# KiCad board Lime_RFE.kicad_pcb (continued)
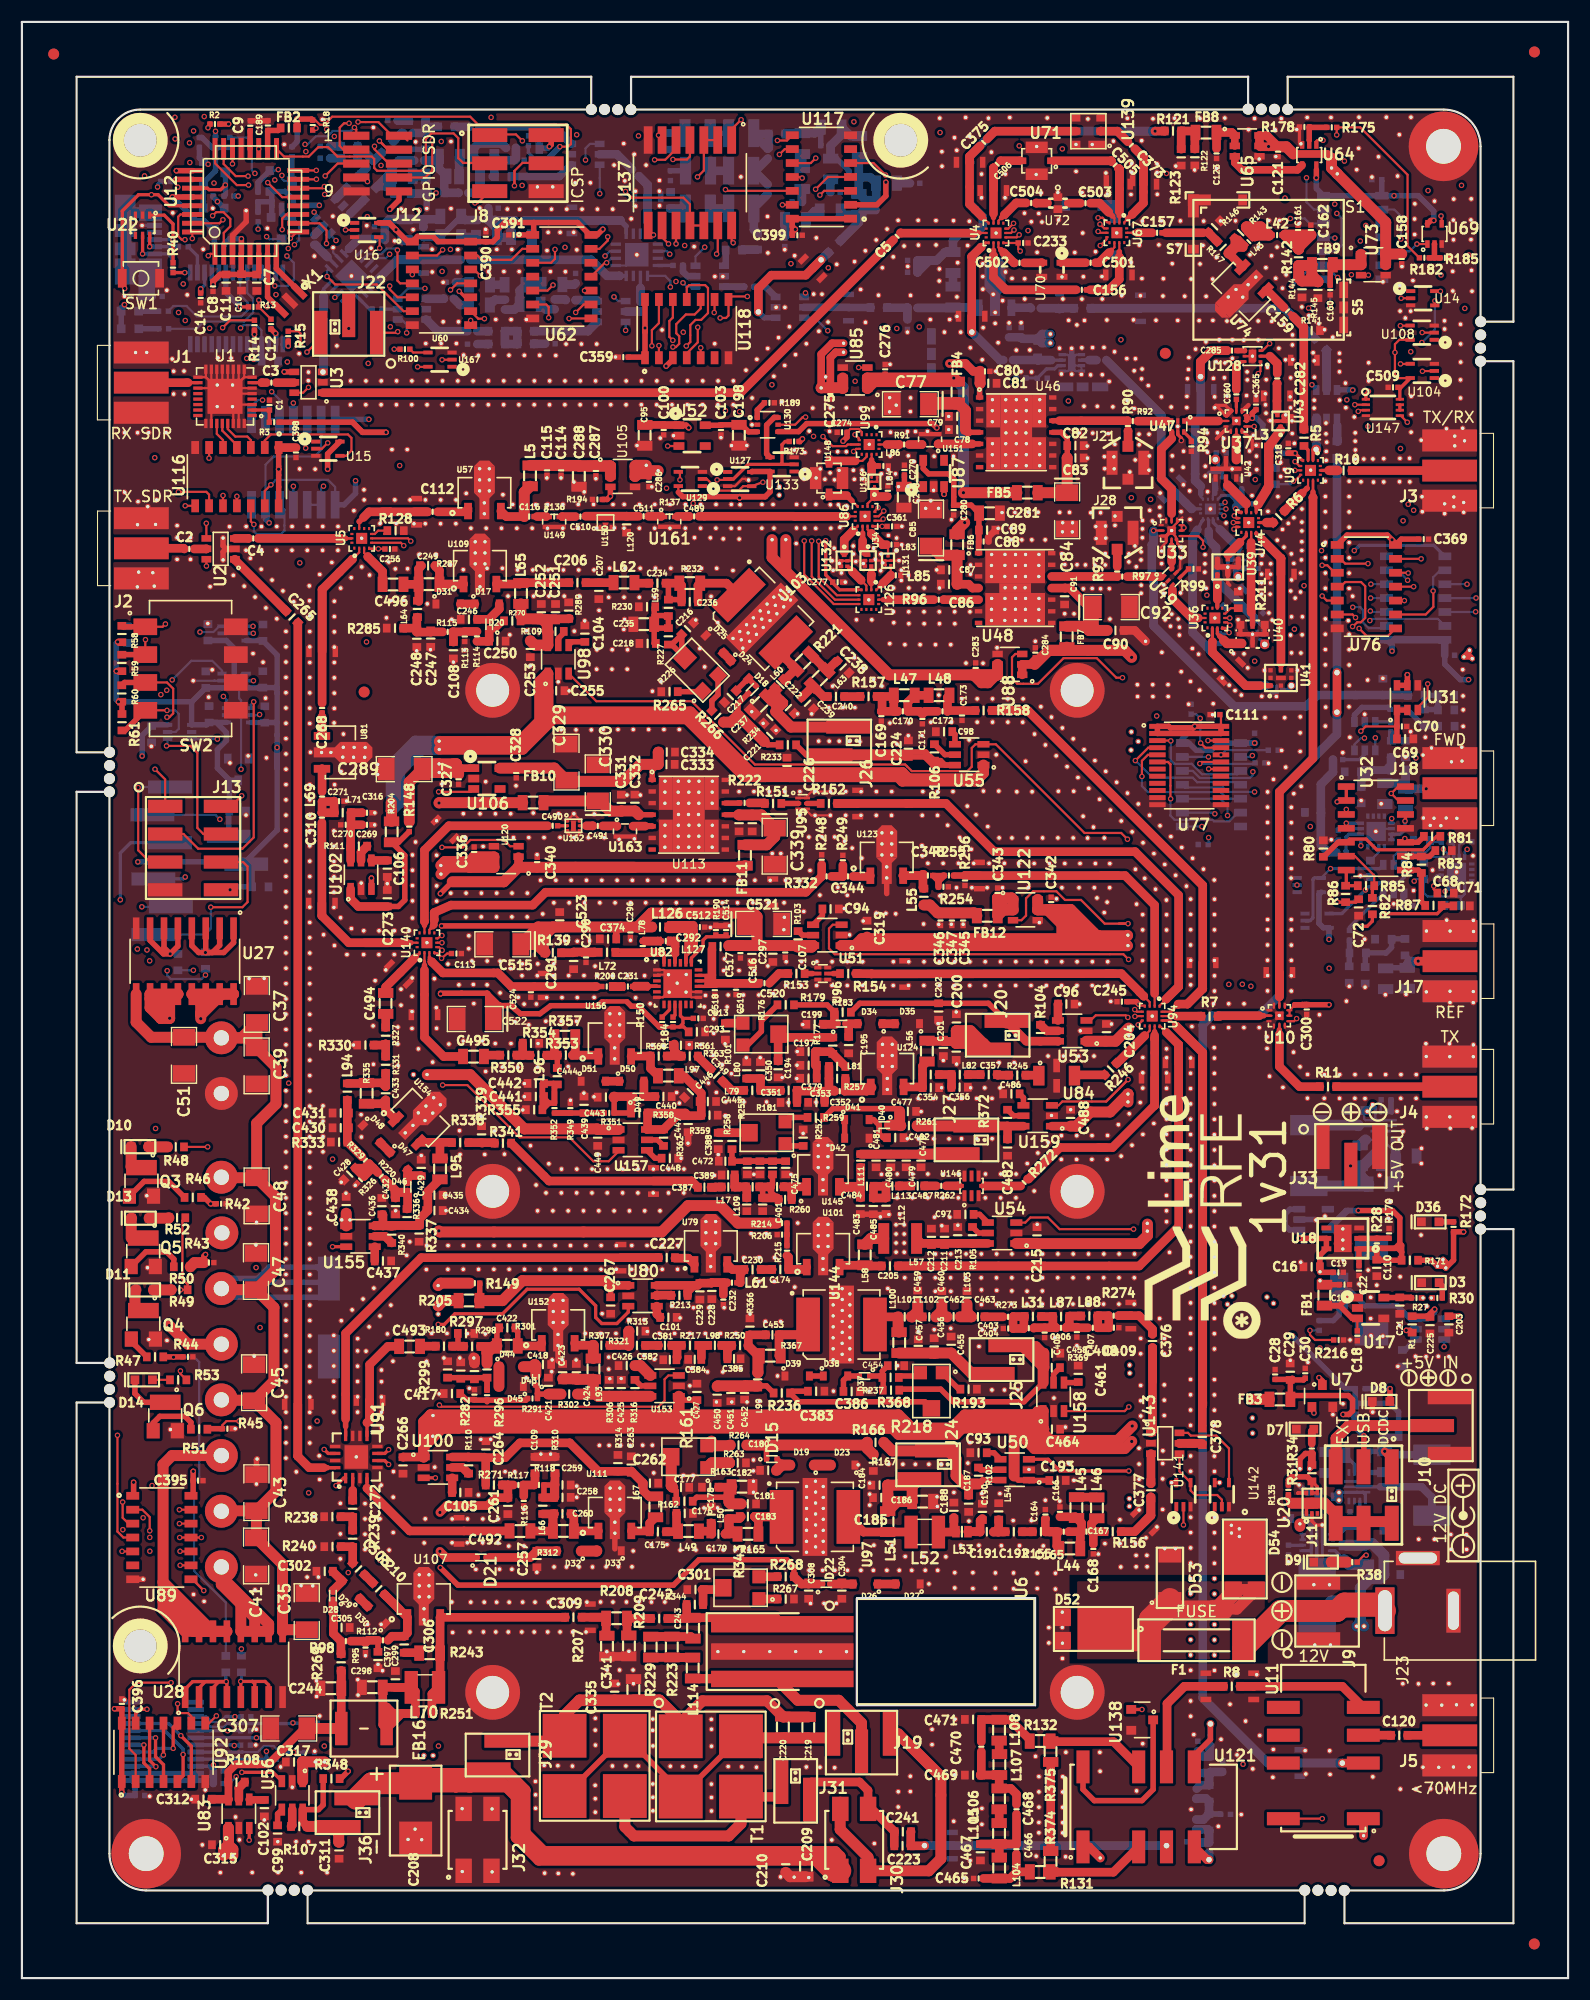
[diagram p0: board, top side]
## Routing (per net, layer and track width the routed paths; a pad name or vN(x,y) marks a point on that pad's centre or on a via; arc(x,y) is an arc through that point) (continued)
/30MHz_RX: length 141.8
  T w0.79: 120,115.49 120.01,115.5 TRANS_VIA#15.1 ; U11.3 122.41,19.62 TRANS_VIA#17.1
  B w0.79: 120,119.13 120.01,119.13 C313.1 ; 120.51,19.62 113.7,19.62 107.75,25.56 107.75,87 108.57,87.82 112.92,87.82 114.75,89.65 114.75,108.25 120,113.5 TRANS_VIA#16.1 ; P41.2 120.49,19.63 TRANS_VIA#17.1
/30MHz_TX: length 13.3
  T w0.79: U11.5 120.49,26.62 R8.1 112.41,26.62 P40.2
/ATTEN0: length 3.7
  T w0.2: U116.3 20.89,140.35 20.57,140.67 19.47,140.67 18.79,141.36 U1.29
/ATTEN1: length 2.7
  T w0.2: U116.4 19.62,139.88 18.29,141.21 U1.28
/ATTEN2: length 2.4
  T w0.2: U116.5 18.35,140.35 17.79,140.92 U1.27
/BAND38_TX_ENn: length 105.6
  T w0.2: 66.26,138.13 64.92,136.79 U127.2 64.32,136.72 v1(63.44,136.72) ; R100.1 v1(33.98,148.64)
  T w0.3: U127.2 64.92,136.79 66.26,138.13 69.28,138.13 ; 69.28,138.13 69.28,138.18 69.32,138.18 69.36,138.13 69.36,139.93 69.65,140.22 R173.2 ; 69.28,138.13 U133.2
  SIG1 w0.2: v1(12.38,163.44) 12.38,157.53 12.12,157.28 v1(12.12,138.74) ; 34.8,147.37 34.8,146.97 ; 34.8,146.97 34.8,140.24 34.47,139.91 v1(34.47,138.03) ; 34.8,146.97 34.8,147.82 v1(33.98,148.64)
  SIG2 w0.2: 27.44,138.29 26.29,138.29 ; 27.44,138.29 34.48,138.29 ; 27.44,138.29 17.38,138.29 17.13,138.04 12.83,138.04 v1(12.12,138.74) ; 34.48,138.29 37.37,138.29 38.5,139.42 45.92,139.42 45.94,139.44 45.99,139.44 45.99,139.35 47.36,137.98 53.09,137.98 54.28,136.79 58.32,136.79 59.02,137.49 62.67,137.49 v1(63.44,136.72) ; 34.48,138.29 34.48,138.29 34.49,138.29 34.47,138.27 v1(34.47,138.03)
  B w0.3: R4.1 12.38,163.67 v1(12.38,163.44)
/Cell/BAND38_RX: length 21.3
  T w0.79: 107.53,146.13 107.53,147.48 108.58,148.52 ; 108.58,148.52 C285.2 108.58,148.52 ; 108.58,148.52 107.55,147.49 107.55,146.1
  B w0.2: 107.58,135.41 107.58,135.16 U35.1
  B w0.5: 107.58,136.13 107.58,135.41
  B w0.79: 107.57,146.14 107.57,142.43 107.06,141.92 107.06,136.65 107.58,136.13 ; TRANS_VIA#5.1 107.57,146.12 P67.2
/Cell/BAND38_SELn: length 24
  T w0.2: v1(121.64,143.58) 121.64,143.58 U147.2 ; v1(121.7,124.16) 121.42,124.43 U76.6 119.67,124.43
  SIG1 w0.2: v1(121.64,143.58) 121.64,143.3 120.54,142.21 120.54,127.79 120.97,127.37 121.52,127.37 121.9,126.98 121.9,124.36 v1(121.7,124.16)
/Cell/BAND38_TX: length 1.3
  T w0.2: U37.11 U37.11 ; 110.82,143.03 110.82,143.36
  T w0.3: 110.82,143.36 C360.2
/Cell/BAND38_TXRX: length 3
  T w0.3: 114.53,143.07 114.53,142.64 114.58,142.6 ; 114.58,143.87 114.53,143.92
  T w0.79: C282.1 114.53,145.5 114.53,143.07
/Cell/LIMITER_CELL/IN: length 1.6
  T w0.2: 47.97,133.37 47.99,133.35 47.54,133.35 ; 46.77,133.35 C116.2
  T w0.5: C116.2 47.01,133.37
  T w0.79: 47.01,133.37 U149.1
/Cell/LIMITER_CELL/OUT: length 18.1
  T w0.2: U86.13 75.23,133.39
  T w0.5: 70.5,133.4 70.5,133.39
  T w0.79: 75.23,133.39 75.22,133.4 75.21,133.39 70.5,133.39 74.31,133.39 ; C489.1 70.5,133.4
/Cell/LNA/IN: length 20.4
  B w0.1: 103.97,136.92 104.94,135.94 P57.2
  B w0.3: 107.54,134.08 106.75,134.08
  B w0.79: 103.97,136.85 103.97,142.64 C73.1 ; 103.97,136.85 104.94,135.87 P57.2 ; 103.97,136.85 106.74,134.08 106.75,134.08
/Cell/LNA_EN_2V5: length 86.4
  T w0.2: U118.10 61.94,152.36 61.39,151.81 60.59,151.81 59.71,150.94 59.71,150.1 59.98,149.83 59.98,149.14 59.69,148.84 v1(59.41,148.84) ; v1(126.42,141.98) 125.83,142.58 U147.5
  SIG1 w0.2: v1(126.42,141.98) 127.06,141.98 127.43,142.35 127.43,145.05 126.74,145.74 v1(126.74,148.42)
  SIG2 w0.2: v1(59.41,148.84) 60.08,148.17 67.35,148.17 67.68,147.84 69.03,147.84 69.91,148.73 71.15,148.73 72.07,147.82 85.37,147.82 86.05,147.13 88.09,147.13 88.47,147.52 88.99,147.52 90.64,149.17 92.98,149.17 93.92,148.23 98.85,148.23 99.56,148.94 100.95,148.94 101.67,149.66 107.03,149.66 108.04,148.65 113.71,148.65 114.21,148.15 116.24,148.15 116.91,148.82 126.34,148.82 v1(126.74,148.42)
/Cell/LNA_PD_2V5: length 34.9
  T w0.2: v1(121.95,142.97) 122.05,143.08 U147.3 ; v1(90.62,145.76) 90.62,145.76
  SIG2 w0.2: v1(121.95,142.97) 121.29,142.97 121.02,142.7 120.51,142.7 118.62,144.6 117.45,144.6 116.63,143.79 115.31,143.79 115.01,144.08 113.16,144.08 112.89,143.81 105.55,143.81 105.39,143.97 104.5,143.97 104.18,143.65 102.04,143.65 101.23,144.46 97.07,144.46 95.97,145.56 90.82,145.56 v1(90.62,145.76)
  B w0.2: v1(90.62,145.76) 90.73,145.87 R89.1
/Cell/PA1_CPL: length 9.7
  T w0.2: U47.4 104.92,141.08 104.92,140.48 ; U33.11 U33.11 ; 104.92,133.02 104.92,133.64
  T w0.5: 104.92,140.48 104.93,140.49 U47.4
  T w0.79: 104.93,140.49 103.97,139.54 103.97,136.82 104.92,135.88 104.92,133.64
/Cell/PA1_EN_2V5: length 28.8
  T w0.2: v1(76.35,146.97) 76.36,146.97 U85.3 ; 59.4,147.69 59.4,147.69 U118.3 ; U52.3 v1(58.93,139.81)
  T w0.5: v1(58.79,147.1) 59.4,147.71 U118.3
  SIG1 w0.2: v1(58.79,147.1) 58.75,147.07 58.75,139.98 v1(58.93,139.81)
  SIG2 w0.2: v1(58.79,147.1) 59.27,146.62 65.15,146.62 65.73,146.05 66.64,146.05 67.26,146.66 69.91,146.66 70.22,146.97 v1(76.35,146.97)
/Cell/PA2_CPL: length 3.4
  T w0.2: 104.92,129.24 U49.6 ; U33.5 U33.5 ; 104.92,131.16 104.92,130.76
  T w0.5: 104.92,130.76 104.91,130.76 104.92,130.75 104.92,130.31 ; U49.6 104.92,129.24
  T w0.79: 104.92,129.24 104.92,130.31
/Cell/PA2_EN_2V5: length 110.4
  T w0.2: v1(61.67,150.64) 61.67,149.27 60.67,148.27 U118.4 ; v1(100.43,118.67) 99.87,118.67 98.09,120.45 95.05,120.45 92.72,118.12 90.83,118.12 90.35,118.59 90.35,120.53 90.65,120.83 U88.3
  T w0.5: v1(84.16,135.4) 84.15,135.41 U87.3
  SIG1 w0.2: v1(100.29,149.51) 100.32,149.48 100.32,132.1 98.39,130.18 98.39,128.48 100.32,126.56 100.32,118.79 v1(100.43,118.67) ; v1(81.89,150.69) 82.62,149.96 82.62,142.24 82.02,141.64 82.02,138.76 84.16,136.63 v1(84.16,135.4)
  SIG2 w0.2: v1(100.29,149.51) 95.07,149.51 93.96,150.63 92.11,150.63 91.93,150.45 88.59,150.45 87.9,151.13 86.66,151.13 86.33,150.81 85.38,150.81 84.98,150.41 84.98,149.99 84.65,149.66 82.38,149.66 81.89,150.16 v1(81.89,150.69) 81.45,151.13 77.71,151.13 77.24,151.6 71.6,151.6 71.2,151.19 69.88,151.19 68.72,150.03 65.39,150.03 64.78,150.64 v1(61.67,150.64)
/Cell/PA_1_2_3/IN: length 5
  T w0.2: U126.13 78.61,125.79
  T w0.5: 78.61,125.79 79.15,125.79
  T w0.79: R96.2 79.16,125.78 79.15,125.79
/Cell/PA_1_2_3/OUT: length 8.6
  T w0.2: 104.99,125.87 106.74,124.12 107.91,124.12 ; 104.99,126.05 U49.3
  T w0.79: 107.34,124.12 106.74,124.12 104.99,125.87 104.99,126.7
/Cell/PA_1_2_3/VREF: length 16.5
  T w0.2: C88.1 87.3,131.09 87.3,130.24
  T w0.5: 87.36,132.47 87.3,132.4 U48.1 87.3,131.09 87.33,131.12 C89.1 87.33,133.67 ; 87.33,133.67 C281.1 ; 87.33,133.67 C281.1 ; C281.1 87.01,134.02 ; C281.1 86.62,134.41 C280.1 85.04,134.42 85.04,136.8 84.57,137.27 82.74,137.27 82.25,137.76 U87.5
/Cell/PA_7_38/IN: length 1.8
  T w0.2: U99.13 78.94,139.95
  T w0.79: 78.94,139.95 R91.2
/Cell/PA_7_38/OUT: length 4.3
  T w0.2: 109.89,142.1 109.89,142.09 109.19,142.09 ; U37.2 U37.2 ; 106.48,142.09 U47.1 106.25,142.09
  T w0.79: 106.48,142.09 109.19,142.09
/Cell/PA_7_38/VREF: length 26.8
  T w0.5: C81.1 87.39,145.49 U46.1 ; 68.98,141.12 70.88,141.12 71.61,141.85 83.1,141.85 v1(83.49,141.46)
  T w0.79: v1(84.64,147.34) 86.1,147.34 86.82,146.62 C80.1
  T w1: C81.1 87.44,145.54 C80.1
  SIG1 w0.79: v1(83.49,141.46) 83.49,146.19 v1(84.64,147.34)
/Cell/PRED_EN_2V5: length 24.9
  T w0.2: v1(61.94,148.78) 61.94,148.78 U118.5 ; v1(53.7,135.22) 53.7,135.23 53.7,135.24
  T w0.5: U105.3 53.7,135.24 53.4,134.93 R194.2
  SIG1 w0.2: v1(61.26,134.58) 61.47,134.79 61.47,146.3 61.94,146.78 v1(61.94,148.78)
  SIG2 w0.2: v1(53.7,135.22) 53.72,135.2 60.64,135.2 v1(61.26,134.58)
/Cell/RX: length 14.9
  T w0.2: 87.53,157.95 87.94,158.35 U4.1
  T w0.3: 87.94,158.35 87.54,157.95 87.53,157.95
  T w0.79: 87.53,157.95 87.53,157.95 86.67,157.09 86.67,157.09 86.67,150.21 ; TRANS_VIA#7.1 86.67,150.23 P56.2
  B w0.79: C76.2 89.24,147.66 TRANS_VIA#7.1
/Cell/SW1_V1_2V5: length 25.3
  T w0.2: v1(126.16,125.7) U76.10
  T w0.25: 111,132.43 110.8,132.43 v1(110.6,132.23)
  SIG1 w0.2: v1(126.16,125.7) 125.86,126 125.86,128.43 126.04,128.61 v1(126.04,132.99)
  SIG2 w0.2: v1(126.04,132.99) 117.58,132.99 117.11,133.45 116.67,133.45 116.22,133.91 115.25,133.91 114.08,132.74 112.94,132.74 112.42,132.23 v1(110.6,132.23)
/Cell/SW1_V2_2V5: length 28.2
  T w0.2: v1(127,126.97) U76.11
  T w0.25: 111,132.83 v1(110.54,132.83)
  SIG1 w0.2: v1(127,133.94) v1(127,126.97)
  SIG2 w0.2: v1(110.54,132.83) 111.01,132.83 112.54,134.36 116.06,134.36 116.63,134.93 117.29,134.93 117.71,134.5 117.71,133.6 118.03,133.29 122.05,133.29 122.7,133.94 v1(127,133.94)
  B w0.2: 110.89,132.84 110.58,132.84
/Cell/SW1_V3_2V5: length 25.2
  T w0.2: v1(126.5,128.22) 126.48,128.24 U76.12
  T w0.25: 111,133.23 110.85,133.23 v1(110.63,133.45)
  SIG1 w0.2: v1(126.5,134.49) v1(126.5,128.22)
  SIG2 w0.2: v1(126.5,134.49) 126.34,134.66 122.64,134.66 122.35,134.37 118.32,134.37 117.31,135.37 116.55,135.37 115.83,134.66 112.28,134.66 111.07,133.45 v1(110.63,133.45)
/Cell/SW2_CTRL_2V5: length 40.7
  T w0.2: 111.75,141.6 v1(112.45,141.6) ; 122.83,129.08 v1(122.84,129.08) 120.76,129.08 120.32,129.51 U76.2 ; U37.7 U37.7
  SIG1 w0.2: v1(123,123.88) 123.59,124.46 123.59,127.89 122.84,128.65 v1(122.84,129.08) 122.84,137.03 123.81,138 123.81,139.3 122.84,140.27 v1(122.84,141.59)
  SIG2 w0.2: v1(112.45,141.6) 112.45,141.59 117.83,141.59 118,141.43 119.65,141.43 119.82,141.59 v1(122.84,141.59)
  B w0.2: v1(123,123.88) 123.16,124.04 129.21,124.04 U119.13
/Cell/SW3_V2_2V5: length 20.2
  T w0.2: 109.82,124.12 v1(110.22,124.12) ; v1(121.43,123.34) 121.46,123.34 121.85,123.72 122.19,123.72 122.58,124.12 122.58,127.02 122.2,127.4 120.76,127.4 120.34,126.97 U76.4
  SIG2 w0.2: v1(121.43,123.34) 120.57,123.34 120.34,123.11 117.57,123.11 117.09,123.59 115.05,123.59 114.65,123.19 113.49,123.19 112.05,124.63 110.68,124.63 110.22,124.17 v1(110.22,124.12)
/Cell/SW3_V3_2V5: length 13.4
  T w0.2: v1(110.24,123.46) 109.98,123.72 109.82,123.72 ; v1(118.66,126.12) 119.07,125.7 U76.5
  SIG1 w0.2: v1(118.66,126.12) 117.11,126.12 116.34,125.36 116.34,123.32 v1(116.12,123.09)
  SIG2 w0.2: v1(110.24,123.46) 110.51,123.19 112.92,123.19 113.36,122.75 114.83,122.75 115.17,123.09 v1(116.12,123.09)
/Cell/SW4_V1_2V5: length 32.6
  T w0.2: v1(131.87,127.2) 131.87,127.2
  SIG2 w0.2: v1(131.87,127.2) 131.87,131.3 131.43,131.74 118.69,131.74 118.51,131.56 115.3,131.56 115.12,131.74 111.84,131.74 111.03,130.93 109.59,130.93 108.96,131.56 108.96,132.71 v1(109.69,133.45)
  B w0.2: v1(131.87,127.2) 131.87,127.2 U119.10 ; v1(109.69,133.45) 109.47,133.67 U35.7
/Cell/SW4_V2_2V5: length 38.4
  T w0.2: 109.87,134.08 v1(109.87,134.07) ; v1(132.66,124.68) 132.64,124.66
  SIG2 w0.2: v1(132.66,124.68) 132.11,125.23 132.11,126.2 132.33,126.42 132.33,135.01 131.54,135.8 127.49,135.8 127.13,135.43 122.61,135.43 121.84,134.67 118.53,134.67 117.4,135.8 111.6,135.8 109.87,134.07 v1(109.87,134.07)
  B w0.2: 109.44,134.08 109.91,134.08 ; v1(132.66,124.68) 132.64,124.66 U119.12
/Cell/SW4_V3_2V5: length 37.1
  T w0.2: v1(109.79,134.68) 109.79,134.68
  SIG2 w0.2: v1(132.7,125.94) 132.7,135.13 131.73,136.1 127.27,136.1 127.02,135.85 118.1,135.85 117.85,136.1 111.21,136.1 v1(109.79,134.68)
  B w0.2: 109.44,134.48 109.59,134.48 v1(109.79,134.68) 109.58,134.47 U35.5 ; v1(132.7,125.94) 132.69,125.93 U119.11
/Cell/SW5_V1_2V5: length 93.7
  T w0.2: v1(78.13,134.18) 77.84,133.89 U86.7 ; v1(57.49,148.95) 57.49,150.38 58.13,151.03 U118.13
  SIG1 w0.2: v1(76.03,145.72) 78.13,143.62 78.13,139.68 77.54,139.08 77.54,137.48 78.13,136.89 v1(78.13,134.18)
  SIG2 w0.2: v1(121.45,125.1) 121.43,125.11 114.57,125.11 114.28,125.4 96.77,125.4 93.8,128.38 87.62,128.38 87.28,128.72 87.28,129.12 86.59,129.82 84.01,129.82 79.45,134.38 78.33,134.38 v1(78.13,134.18) ; v1(57.49,148.95) 57.24,148.7 57.24,145.63 57.65,145.22 67.42,145.22 67.85,144.79 70.03,144.79 71.3,146.06 72.71,146.06 73.26,145.51 75.83,145.51 v1(76.03,145.72)
  B w0.2: 124.31,123.17 U119.2 124.32,123.18 122.91,123.18 122.37,123.72 122.37,124.87 122.14,125.1 v1(121.45,125.1)
/Cell/SW5_V2_2V5: length 45.3
  T w0.2: v1(78.65,133.87) 78.17,133.39 U86.6 ; v1(59.4,149.45) 59.08,149.77 59.08,151.22 59.4,151.53 U118.12
  SIG1 w0.2: v1(78.66,150.55) 78.65,150.55 78.65,142.51 79.83,141.33 79.83,138.48 81.51,136.8 81.51,135.93 79.46,133.87 v1(78.65,133.87)
  SIG2 w0.2: v1(78.66,150.55) 74.97,150.55 74.15,149.72 72.42,149.72 72.09,150.06 70.16,150.06 69.26,149.16 68.48,149.16 68.19,149.45 65.15,149.45 64.45,150.15 61.76,150.15 61.06,149.45 v1(59.4,149.45)
/Cell/SW5_V3_2V5: length 52.6
  T w0.2: v1(78.6,133.15) 78.44,132.99 U86.5 ; v1(60.63,148.94) 60.99,149.3 60.99,150.85 61.47,151.32 61.98,151.32 62.61,151.94 62.61,154.23 62.34,154.49 60.88,154.49 60.67,154.28 U118.11
  SIG1 w0.2: v1(79.83,150.54) 79.83,149.85 80.5,149.19 80.5,141.95 80.2,141.66 80.2,138.69 82.11,136.79 82.11,135.95 80.97,134.82 80.97,134.47 79.65,133.15 v1(78.6,133.15)
  SIG2 w0.2: v1(60.63,148.94) 61.18,148.94 62.01,149.77 64.25,149.77 65.08,148.94 67.11,148.94 67.82,148.23 68.87,148.23 70.29,149.65 71.98,149.65 72.34,149.29 74.22,149.29 74.93,150 79.3,150 v1(79.83,150.54)
/Cell/SW6_V1_2V5: length 93.3
  T w0.2: v1(71.39,131.15) 71.39,128.08 74.08,125.39 U126.7 ; v1(75.89,139.31) 76.13,139.55 U99.7
  SIG1 w0.2: v1(72.24,140.69) 71.53,139.98 70.15,139.98 69.73,139.56 69.73,135.04 69.39,134.7 69.39,132.32 69.04,131.97 69.04,130.79 69.56,130.27 70.82,130.27 71.39,130.84 v1(71.39,131.15)
  SIG2 w0.2: v1(72.24,140.69) 73.18,139.75 75.68,139.75 75.89,139.54 v1(75.89,139.31) ; v1(123.1,127.2) 122.65,127.2 122.21,127.65 116.45,127.65 115.96,128.13 115.11,128.13 114.65,128.59 112.74,128.59 112.08,127.94 112.08,127.63 111.72,127.27 108.97,127.27 108.45,127.79 95.66,127.79 92.87,130.58 84.42,130.58 79.92,135.09 70.48,135.09 69.73,134.34 69.73,132.04 70.34,131.44 71.04,131.44 71.33,131.15 v1(71.39,131.15)
  B w0.2: U119.5 v1(123.1,127.2)
/Cell/SW6_V2_2V5: length 89.2
  T w0.2: v1(72.07,131.15) 72.07,127.91 74.19,125.79 U126.6 ; 75.64,139.95 75.64,139.95 76.36,139.95 75.36,139.95 75.21,139.8 73.98,139.8 v1(73.1,140.67)
  SIG1 w0.2: 72.07,139.64 v1(73.1,140.67) 72.07,139.64 ; 72.07,139.64 72.07,139.1 70.31,137.35 70.31,135.06 69.85,134.6 69.85,132.29 70.43,131.7 71.52,131.7 v1(72.07,131.15)
  SIG2 w0.2: v1(123.08,125.93) 122.75,125.6 120.06,125.6 119.91,125.45 114.78,125.45 114.51,125.72 96.94,125.72 93.26,129.39 87.5,129.39 86.73,130.17 84.25,130.17 79.7,134.72 76.95,134.72 75.59,133.35 70.46,133.35 70.09,132.99 70.09,132.19 70.47,131.81 71.55,131.81 72.07,131.29 v1(72.07,131.15)
  B w0.2: U119.4 v1(123.08,125.93)
/Cell/SW6_V3_2V5: length 78.6
  T w0.2: v1(72.71,131.11) 72.71,127.85 74.37,126.19 U126.5 ; v1(76.03,140.85) 76.36,140.51 76.36,140.35 ; v1(123.05,124.75) 123.05,124.75
  SIG1 w0.2: v1(76.03,140.85) 74.46,140.85 73.54,139.92 73.54,139.24 71.94,137.65 71.94,131.94 72.71,131.17 v1(72.71,131.11)
  SIG2 w0.2: v1(123.05,124.75) 122.91,124.61 120.92,124.61 119.76,123.46 118.7,123.46 117.41,124.75 116.56,124.75 116.66,124.75 114.28,124.75 114,125.03 96.49,125.03 96.13,125.4 79.84,125.4 78.65,126.59 74.02,126.59 72.71,127.9 v1(72.71,131.11)
  B w0.2: v1(123.05,124.75) 123.14,124.66 U119.3
/Cell/SW_CPL_CTRL_2V5: length 16.5
  T w0.2: v1(118.65,128.93) 119.13,128.93 119.81,128.24 U76.3 ; v1(107.78,130.58) 107.78,131.17 107.36,131.59 105.85,131.59 ; U33.7 U33.7
  SIG2 w0.2: v1(118.65,128.93) 116.68,128.93 116.25,128.49 115.81,128.49 113.73,130.58 v1(107.78,130.58)
/Cell/TDD_SW_V1: length 78.7
  T w0.2: U129.2 62.5,136.8 63.57,135.74 65.4,135.74 65.81,136.14 U127.4 67.61,136.52 v1(67.62,136.51) ; v1(112.82,146.42) 113.02,146.62 U128.1
  T w0.3: v1(122.88,144.8) 122.64,144.56 U147.1
  SIG1 w0.2: v1(67.62,136.51) 68.44,136.92 v1(68.44,145.4)
  SIG2 w0.2: v1(68.44,145.4) 69.54,145.4 v1(68.44,145.4) ; v1(68.44,145.4) 69.65,145.4 70.82,146.57 73.73,146.57 74.05,146.25 76.3,146.25 77.05,145.5 85.34,145.5 85.97,146.13 89.2,146.13 89.94,146.87 90.22,146.87 91.12,147.76 93.25,147.76 93.72,147.29 100.34,147.29 100.42,147.21 101.86,147.21 102.25,147.6 103.09,147.6 103.71,146.99 105.09,146.99 105.47,147.38 107.59,147.38 108.47,146.51 110.94,146.51 111.53,147.09 112.15,147.09 v1(112.82,146.42) 112.9,146.35 114.02,146.35 114.37,146.7 118.16,146.7 118.82,146.04 121.4,146.04 122.64,144.8 v1(122.88,144.8)
/Cell/TDD_SW_V2: length 74.1
  T w0.2: v1(60.05,136.72) 60.05,137.31 U129.4 ; v1(113.86,149.16) 113.86,149.16 113.21,148.51 U128.3
  SIG1 w0.2: v1(60.05,136.72) 60.06,136.73 60.06,149.91 v1(60.35,150.2)
  SIG2 w0.2: 61.37,151.21 v1(60.35,150.2) 61.37,151.21 ; 61.37,151.21 62.13,151.21 62.13,151.19 62.35,150.97 65.05,150.97 65.61,150.41 68.52,150.41 69.69,151.59 70.98,151.59 71.34,151.95 77.59,151.95 78.04,151.5 81.98,151.5 82.68,150.8 84.91,150.8 85.28,151.18 86.09,151.18 86.41,151.5 89.85,151.5 90.22,151.87 92.72,151.87 93.64,150.95 94.28,150.95 95.19,150.03 107.88,150.03 108.18,150.33 109.68,150.33 109.98,150.03 112.99,150.03 v1(113.86,149.16)
/Cell/TX: length 10.3
  T w0.2: 30.78,132.91 30.78,132.34
  T w0.5: 30.78,132.91 30.79,132.91 31.17,133.29 ; 31.68,133.81 32.88,133.81
  T w0.79: 33.6,133.81 32.88,133.81 ; 33.6,133.81 C112.1 35.81,133.81 ; 33.6,133.81 31.68,133.81 31.17,133.29
/Cell/TXRX: length 1.3
  T w0.3: 112.91,132.83 113.59,132.83
  T w0.86: 113.59,132.83 R6.2
/Cell/VIA_U35_U39: length 3.4
  T w0.86: 110.99,127.9 TRANS_VIA#2.1
  B w0.3: 110.77,128.1 TRANS_VIA#2.1 ; U165.1 110.77,128.64
  B w0.5: TRANS_VIA#2.1 110.77,128.1 110.77,128.64 ; 110.77,128.64 111.47,128.64 ; 110.77,128.64 L123.2
/Cell/VIA_U35_U40: length 0.6
  T w0.86: 113.41,121.72 113.41,121.7
  B w0.3: TRANS_VIA.1 113.41,121.73 U164.1
/Cell/VIA_U35_U41: length 1
  B w0.3: TRANS_VIA#6.1 115.49,117.59 115.02,117.59
/Cell/VIA_U35_U42: length 1.9
  T w0.86: 108.91,138.59 108.91,138.57
  B w0.3: 109.19,138.3 TRANS_VIA#3.1 ; 109.19,138.3 TRANS_VIA#3.1 ; 109.19,138.3 U166.1 ; TRANS_VIA#3.1 108.94,138.55 ; TRANS_VIA#3.1 108.91,139.11 L125.2
/Cell/VIA_U42_U44: length 3.9
  T w0.3: U42.6 109.87,136.41 110.03,136.25 ; 111.73,134.55 111.73,133.78
  T w0.86: 110.03,136.25 111.73,134.55
/CPL: length 36.5
  T w0.2: v1(103.27,132.09) 103.27,132.09 103.99,132.09 ; U33.2 U33.2
  B w0.79: R68.1 126.47,117.08 R65.1 118.21,117.08 117.18,116.05 110.63,116.05 103.27,123.41 103.27,127.96 103.11,128.12 103.11,130.81 103.27,130.97 v1(103.27,132.09)
/DATA1: length 11.3
  T w0.2: U15.4 29.59,138.91 30.07,139.39 30.07,140.55 29.75,140.87 22.72,140.87 22.16,140.31 U116.2
/DATA2: length 43
  T w0.2: v1(69.4,161.82) 69.41,161.82 U117.13 ; v1(38.4,157.71) 37.88,157.19 U60.2
  SIG1 w0.2: v1(36.25,161.34) 36.25,160.46 38.4,158.32 v1(38.4,157.71)
  SIG2 w0.2: v1(69.4,161.82) 68.74,162.48 61.32,162.48 60,161.16 54.8,161.16 54.08,160.44 37.15,160.44 v1(36.25,161.34)
/DATA3: length 84.2
  T w0.2: v1(53.46,158.9) 53.46,158.56 52.71,157.8 U62.13
  SIG2 w0.2: v1(125.84,158.7) 125.14,158 119.36,158 116.11,161.25 100.47,161.25 98.98,159.77 98.98,159.41 97.64,158.07 88.45,158.07 87.69,158.84 78.82,158.84 78.25,159.4 77.38,159.4 75.79,157.81 70.6,157.81 70.07,158.33 66.4,158.33 65.67,159.07 61.5,159.07 60.81,159.76 56.9,159.76 56.28,159.14 54.5,159.14 54.28,158.92 53.47,158.92 v1(53.46,158.9)
  B w0.2: v1(125.84,158.7) 125.84,160.78 125.24,161.38 U68.2
/DATA4: length 111.4
  T w0.2: v1(58.13,148.98) 58.13,148.97 U118.2
  SIG1 w0.2: v1(58.82,135.96) 58.82,137.93 57.29,139.46 57.29,146.12 58.13,146.95 v1(58.13,148.98) ; v1(103,134.94) 103,136.4 102.2,137.2 102.2,138.82 100.96,140.06 100.96,141.38 103,143.42 103,144.41 103.51,144.91 103.51,145.9 103,146.41 103,163.24 103.55,163.78 104.02,163.78 104.45,164.21 v1(104.45,164.68)
  SIG2 w0.2: v1(103,134.94) 101.69,136.25 86.34,136.25 85.94,136.65 81.61,136.65 80.22,138.05 79.38,138.05 79.15,138.27 68.72,138.27 66.41,135.96 v1(58.82,135.96) ; v1(104.45,164.68) 106.1,164.68 106.49,164.29 v1(117.22,164.29)
  B w0.2: v1(117.22,164.29) 117.22,162.07 117.91,161.38 U68.13
/DATA5: length 37.3
  T w0.2: v1(127.69,129.51) U76.13
  SIG1 w0.2: v1(127.21,111.34) 127.21,113.3 127.69,113.78 v1(127.69,129.51)
  SIG2 w0.2: v1(112.29,111.56) 112.51,111.34 124.69,111.34 125.27,110.76 126.63,110.76 v1(127.21,111.34)
  B w0.2: v1(112.29,111.56) 112.16,111.43 U75.2
/DATA_CLK: length 397.5
  T w0.2: v1(17.75,23.93) 17.08,23.26 U92.8 ; 15.56,36.39 v1(16.59,35.36) 15.56,36.39 ; 15.56,36.39 U89.8 ; v1(40.95,151.27) 40.95,151.26 U60.8 ; v1(14.9,134.36) 14.9,134.35 U116.8 ; 125.34,123.16 U76.8 124.67,122.49 122.7,122.49 v1(122.03,123.16) ; v1(68.94,167.69) 69.82,167.69 U117.8 ; v1(66.2,153.46) 64.75,153.46 U118.8 64.48,151.72 64.25,151.5 v1(63.72,151.5) ; v1(83.79,168.42) 83.79,168.42 ; v1(49.93,151.44) 49.95,151.45 U62.8 ; U16.4 32.65,158.79 v1(32.65,157.87)
  SIG1 w0.2: 15.37,45.72 15.27,45.82 ; 15.37,45.72 15.1,45.99 15.1,46.73 15.44,47.07 15.44,66.79 14.61,67.61 14.61,99.37 15.49,100.24 15.49,100.95 14.9,101.54 14.9,127.41 15.9,128.41 15.9,133.36 v1(14.9,134.36) 14.9,143.67 15.28,144.04 15.28,147.71 14.9,148.09 14.9,151.26 v1(14.91,151.26) ; 15.37,45.72 15.37,36.59 v1(16.59,35.36) 16.59,35.33 17.75,34.17 v1(17.75,23.93) ; v1(117.57,105.08) 118.34,105.85 118.34,120.07 118.87,120.6 119.38,120.6 120.63,121.85 121.59,121.85 122.03,122.29 v1(122.03,123.16) 122.23,123.36 122.23,128.15 121.77,128.61 121.77,130.09 v1(121.59,130.27) ; v1(118.6,130.27) 118.35,130.51 118.35,138.18 117.23,139.29 117.23,150.52 v1(119.39,152.68) ; v1(33.62,150.69) 32.65,151.67 v1(32.65,157.87) ; v1(131.37,163.6) 131.38,163.59 131.38,155.19 131.67,154.9 v1(131.67,152.37) ; v1(75.92,169.4) 75.53,169.79 69.59,169.79 68.94,169.14 v1(68.94,167.69) 68.62,167.37 68.62,154.74 67.34,153.46 v1(66.2,153.46)
  SIG2 w0.2: v1(131.67,152.37) 131.6,152.3 128.67,152.3 128.29,152.68 v1(119.39,152.68) ; 59.59,151.34 59.84,151.59 ; 59.59,151.34 59.89,151.63 62.53,151.63 62.67,151.5 v1(63.72,151.5) ; 59.59,151.34 50.04,151.34 v1(49.93,151.44) 49.29,150.8 41.41,150.8 v1(40.95,151.27) 40.52,151.69 34.62,151.69 v1(33.62,150.69) 33.05,151.26 v1(14.91,151.26) ; v1(107.68,105.08) 107.98,104.79 117.28,104.79 v1(117.57,105.08) ; v1(121.59,130.27) v1(118.6,130.27) ; v1(83.79,168.42) 84.55,169.18 122.56,169.18 127.9,163.85 128.48,163.85 128.73,163.6 v1(131.37,163.6)
  PWR w0.2: v1(75.92,169.4) 75.92,168.09 79.1,164.92 81.59,164.92 83.3,166.63 83.3,167.93 v1(83.79,168.42)
  B w0.2: v1(107.68,105.08) 107.68,105.08 U75.8 ; v1(119.39,152.68) 119.39,154.42 U68.8
  B w0.3: U119.8 128.85,130.74 122.06,130.74 v1(121.59,130.27)
  B w0.5: 107.68,105.08 v1(107.68,105.08)
/DATA_RESET: length 442.9
  T w0.2: 14.44,37.66 v1(14.44,37.67) ; 14.44,37.66 v1(14.44,37.67) ; 14.44,37.66 v1(14.44,37.67) ; 14.44,37.66 v1(14.44,37.67) ; 14.44,37.66 U89.9 ; v1(63.18,151.99) 63.21,152.02 U118.9 ; v1(14.21,25.03) 14.21,24.25 14.14,24.18 15.17,24.18 15.46,23.89 U92.9 ; v1(50.53,152) 51.26,152.72 U62.9 ; v1(14.28,135.63) 16.83,135.63 17.08,135.37 U116.9 ; v1(69.13,166.42) 69.61,166.9 U117.9 ; 128.8,126.58 128.8,125.13 128.1,124.43 U76.9 ; 128.8,126.58 v1(128.78,126.58) ; 128.8,126.58 v1(128.78,126.58) ; 128.8,126.58 v1(128.78,126.58) ; v1(117,127.07) 117.01,127.07 ; v1(128.94,153.06) 128.94,152.66 U14.4 ; v1(127.75,149.26) 127.75,149.26 ; v1(42.21,151.43) 41.63,151.43 U60.9
  SIG1 w0.2: 14.21,37.43 v1(14.44,37.67) ; 14.21,37.43 v1(14.44,37.67) ; 14.21,37.43 v1(14.21,25.03) ; v1(14.44,37.67) 14.97,38.2 14.97,45.09 14.62,45.44 14.62,46.93 14.97,47.27 14.97,66.46 14.26,67.17 14.26,100.07 14.3,100.03 14.3,128.03 14.79,128.51 14.79,133.43 14.3,133.92 14.3,136.69 ; 14.3,136.69 14.3,151.99 v1(14.29,151.99) 14.29,153.2 14.07,153.42 14.07,158.08 14.29,158.3 14.29,162.69 13.56,163.43 13.56,165.21 15.29,166.94 v1(15.29,167.48) ; 14.3,136.69 14.3,135.64 v1(14.28,135.63) ; 108.13,125.03 108.13,114.31 107.07,113.25 107.07,111.97 108.19,110.85 108.52,110.85 108.86,110.51 v1(108.86,106.25) ; 108.13,125.03 v1(108.13,126.2) 108.13,125.03 ; v1(117,127.07) 117.38,127.44 119.18,127.44 119.62,127.88 119.62,142.6 118.79,143.43 118.79,149.57 120.06,150.84 v1(120.06,155.19)
  SIG2 w0.2: 95.39,150.66 94.67,151.38 93.96,151.38 93.1,152.24 89.52,152.24 89.04,152.72 86.86,152.72 86.26,152.12 83.78,152.12 83.51,152.39 71.07,152.39 70.64,151.96 69.47,151.96 68.45,150.93 65.77,150.93 64.71,151.99 v1(63.18,151.99) 63.17,151.99 50.82,151.99 50.82,152 v1(50.53,152) 42.78,152 v1(42.21,151.43) 41.64,151.99 v1(14.29,151.99) ; 95.39,150.66 95.64,150.41 96.79,150.41 ; 95.39,150.66 95.64,150.4 107.67,150.4 107.91,150.65 109.92,150.65 110.17,150.4 113.33,150.4 114.49,149.24 114.9,149.24 115.67,148.47 116.08,148.47 116.86,149.25 119.12,149.25 119.13,149.26 v1(127.75,149.26) ; v1(128.94,153.06) 128.12,153.88 121.37,153.88 v1(120.06,155.19) ; v1(128.78,126.58) 127.92,126.58 127.8,126.46 122.86,126.46 122.03,127.28 117.21,127.28 v1(117,127.07) 115,127.07 114.74,126.8 112.83,126.8 112.08,126.05 110.41,126.05 110.41,126.02 110.23,126.2 v1(108.13,126.2) ; v1(15.29,167.48) 15.78,166.99 20.89,166.99 21.37,167.48 22.1,167.48 23.43,166.15 26.08,166.15 26.94,167.01 28.79,167.01 29.65,166.15 31.48,166.15 31.69,165.94 33.39,165.94 33.6,166.15 47.01,166.15 47.25,166.4 52.4,166.4 53.91,164.88 57.42,164.88 58.95,166.42 61.38,166.42 61.98,165.82 65.93,165.82 66.53,166.42 v1(69.13,166.42)
  B w0.2: v1(120.06,155.19) 118.95,156.3 U68.9 117.78,156.3 v1(115.87,154.39) ; v1(108.86,106.25) 108.76,106.35 U75.9 ; U119.9 129.43,128.47 128.78,127.82 v1(128.78,126.58) ; v1(128.94,153.06) 128.94,150.44 v1(127.75,149.26)
